# Allegro board 038RT-9068CJK8E-A100_0921_1.brd (continued)
## Routing (per net, layer and track width the routed paths; a pad name or vN(x,y) marks a point on that pad's centre or on a via; arc(x,y) is an arc through that point) (continued)
SG2_TAPSL0: length 38
  L03_SIGNAL w0.102: v1(95.8,259.82) 96.2,260.22 100.22,260.22
  L03_SIGNAL w0.145: v2(116.06,238.11) 115.44,238.73 115.44,241.73 115.18,241.99 115.18,250.98 111.9,254.26 108.14,254.26 102.17,260.22 100.22,260.22
  BOTTOM w0.115: UNK2R281.1 v2(116.06,238.11)
SG2_TAPSL1: length 35.9
  L03_SIGNAL w0.102: v1(96.6,259.82) 97,259.42 100.22,259.42
  L03_SIGNAL w0.145: 100.22,259.42 101.84,259.42 107.8,253.46 111.57,253.46 114.38,250.65 114.38,242.35 114.11,242.08 114.11,238.8 v2(114.79,238.11)
  BOTTOM w0.115: UNK2R282.1 v2(114.79,238.11)
SG2_TCT: length 9.9
  TOP w0.115: UNK2T13.15 v2(54.63,343.06) ; UNK2T13.10 v2(60.98,343.06) ; UNK2C324.1 v2(57.8,343.06)
  L03_SIGNAL w0.145: v2(54.63,343.06) v2(57.8,343.06) v2(60.98,343.06)
SG2_U1_FE_MDI+: length 124.4
  TOP w0.105: 60.74,344.74 60.74,343.95
  TOP w0.115: UNK2T13.11 59.71,342.91 60.74,343.95 ; v1(60.65,344.84) 60.74,344.74
  L07_SIGNAL w0.1: v1(60.65,344.84) 60.8,344.99 60.8,346.21 61.49,346.9 79.23,346.9 82.56,343.56 82.56,305.58 81.18,304.2 73.7,304.2 72.57,303.07 72.57,300.7 75.87,297.41 75.87,290.81 83.95,282.73 83.95,277.28 81.8,275.12 81.8,267.7 84.7,264.79 84.93,264.79 85.15,265.02 85.8,265.02 v1(86.2,264.62)
SG2_U1_FE_MDI-: length 124.4
  TOP w0.105: 61.21,344.74 61.21,343.95
  TOP w0.115: 61.21,343.95 62.25,342.91 UNK2T13.9 ; v1(61.31,344.84) 61.21,344.74
  L07_SIGNAL w0.1: v1(61.31,344.84) 61.16,344.98 61.16,346.06 61.64,346.54 62.81,346.54 62.91,346.44 62.91,346.21 63.02,346.11 63.21,346.11 63.31,346.21 63.31,346.44 63.41,346.54 79.08,346.54 82.2,343.41 82.2,305.73 81.03,304.56 73.55,304.56 72.21,303.23 72.21,300.55 75.51,297.25 75.51,290.66 83.59,282.58 83.59,277.43 81.44,275.27 81.44,267.55 84.55,264.43 84.95,264.43 85.04,264.34 85.17,264.22 85.8,264.22 v1(86.2,263.82)
SG2_U1_FE_MDIX+: length 106.2
  TOP w0.105: 54.39,344.74 54.39,343.95
  TOP w0.115: UNK2T13.16 53.36,342.91 54.39,343.95 ; v1(54.3,344.84) 54.39,344.74
  L07_SIGNAL w0.1: v1(85.4,263.82) 85.18,263.6 83.3,263.6 66.39,280.51 66.39,295.59 67.46,296.66 67.46,339.07 62.46,344.07 58.6,344.07 56.18,346.49 55.12,346.49 54.47,345.84 54.47,345.01 v1(54.3,344.84)
SG2_U1_FE_MDIX-: length 106.2
  TOP w0.105: 54.86,344.74 54.86,343.95
  TOP w0.115: UNK2T13.14 55.9,342.91 54.86,343.95 ; v1(54.96,344.84) 54.86,344.74
  L07_SIGNAL w0.1: v1(85.4,263.02) 85.18,263.24 83.15,263.24 66.03,280.36 66.03,295.74 67.09,296.81 67.09,338.92 62.31,343.71 58.45,343.71 57.17,344.99 57.03,344.99 56.87,344.83 56.73,344.83 56.59,344.97 56.59,345.11 56.75,345.27 56.75,345.41 56.03,346.13 55.27,346.13 54.83,345.69 54.83,344.97 v1(54.96,344.84)
SG2_U2_FE_MDI+: length 176.5
  TOP w0.105: 60.74,329.95 60.74,330.74
  TOP w0.115: UNK2T13.6 59.71,331.77 60.74,330.74 ; v1(60.65,329.85) 60.74,329.95
  L40_SIGNAL w0.1: v1(34.18,173.39) 33.98,173.59 32.67,173.59 32.01,174.25 32.01,179.6 44.19,191.78 44.19,231.57 45.09,232.48 45.09,241.83 48.39,245.12 48.39,275.19 51.89,278.69 51.89,313.22 53.29,314.62 60.8,322.13 60.8,329.7 v1(60.65,329.85)
  BOTTOM w0.105: UNK2U6.27 31.58,173.54 34.04,173.54 v1(34.18,173.39)
SG2_U2_FE_MDI-: length 176.5
  TOP w0.105: 61.21,329.95 61.21,330.74
  TOP w0.115: v1(61.31,329.85) 61.21,329.95 ; UNK2T13.8 62.25,331.77 61.21,330.74
  L40_SIGNAL w0.1: v1(34.18,174.16) 33.98,173.96 32.82,173.96 32.37,174.4 32.37,177.14 32.47,177.24 32.69,177.24 32.79,177.34 32.79,177.54 32.69,177.64 32.47,177.64 32.37,177.74 32.37,179.45 44.55,191.63 44.55,231.42 45.46,232.33 45.46,241.68 48.75,244.97 48.75,275.04 52.25,278.54 52.25,313.07 53.65,314.47 53.65,314.47 61.16,321.98 61.16,329.7 v1(61.31,329.85)
  BOTTOM w0.105: v1(34.18,174.16) 34.04,174.01 31.58,174.01 UNK2U6.28
SG2_U2_FE_MDIX+: length 184.9
  TOP w0.105: 54.39,329.95 54.39,330.74
  TOP w0.115: v1(54.3,329.85) 54.39,329.95 ; UNK2T13.1 53.36,331.77 54.39,330.74
  L40_SIGNAL w0.1: v1(54.3,329.85) 54.45,329.7 54.45,323.06 43.83,312.45 43.83,294.51 44.94,293.4 44.94,283.57 44.15,282.78 44.15,276.67 42.93,275.45 42.93,251.56 32.91,241.54 32.91,234.7 34.75,232.86 34.75,224.37 34.07,223.7 34.07,186.97 27.93,180.82 27.93,171.58 28.91,170.59 33.98,170.59 v1(34.18,170.39)
  BOTTOM w0.105: UNK2U6.21 31.58,170.54 34.04,170.54 v1(34.18,170.39)
SG2_U2_FE_MDIX-: length 184.9
  TOP w0.105: 54.86,329.95 54.86,330.74
  TOP w0.115: 54.86,330.74 55.9,331.77 UNK2T13.3 ; v1(54.96,329.85) 54.86,329.95
  L40_SIGNAL w0.1: v1(54.96,329.85) 54.81,329.7 54.81,322.91 44.2,312.3 44.2,294.66 45.3,293.55 45.3,283.42 44.51,282.63 44.51,276.52 43.29,275.3 43.29,251.41 33.27,241.39 33.27,234.85 35.11,233.01 35.11,224.22 34.44,223.55 34.44,186.82 28.29,180.67 28.29,171.73 29.06,170.96 31.46,170.96 31.56,171.06 31.56,171.27 31.66,171.38 31.86,171.38 31.96,171.27 31.96,171.06 32.06,170.96 33.98,170.96 v1(34.18,171.16)
  BOTTOM w0.105: UNK2U6.22 31.58,171.01 34.04,171.01 v1(34.18,171.16)
SG2_U3_FE_MDI+: length 39.4
  BOTTOM w0.105: UNK2U6.39 39.29,173.04 40.69,173.04 41.77,174.12 41.77,176.2 35.23,182.73 29.5,182.73 28.61,181.84 28.61,181.17 28.31,180.88 26.74,180.88 26.5,181.12 26.5,181.79 25.56,182.73 15.96,182.73 15.01,181.78 15.01,180.86
  BOTTOM w0.115: UNK2CON3.1 14.11,179.96 15.01,180.86
SG2_U3_FE_MDI-: length 39.4
  BOTTOM w0.105: UNK2U6.38 39.29,173.51 40.5,173.51 41.3,174.31 41.3,176 35.04,182.27 29.69,182.27 29.08,181.65 29.08,180.98 28.51,180.41 26.55,180.41 26.04,180.92 26.04,181.6 25.37,182.27 16.16,182.27 15.48,181.59 15.48,179.96
  BOTTOM w0.115: 15.48,179.96 15.77,179.68 16.39,179.68 16.65,179.94 UNK2CON3.2
SG2_U3_FE_MDIX+: length 49.1
  BOTTOM w0.105: 15.15,183.54 15.15,187 15.96,187.81 34.77,187.81 43.5,179.08 43.5,172.42 41.12,170.04 39.29,170.04 UNK2U6.45 ; UNK2CON3.3 14.11,182.5
  BOTTOM w0.115: 14.11,182.5 15.15,183.54
SG2_U3_FE_MDIX-: length 49.1
  BOTTOM w0.105: 15.61,185.23 15.61,186.8 16.16,187.35 34.58,187.35 43.04,178.89 43.04,172.62 40.93,170.51 39.29,170.51 UNK2U6.44
  BOTTOM w0.115: 15.61,185.23 15.81,185.04 18.08,185.04 18.36,185.31 18.36,186.04 18.08,186.31 UNK2CON3.6
SG2_U4_GIGA_MDI+: length 14.1
  TOP w0.105: UNK2GPHY2.1 18.95,270.11 20.17,270.11 23.41,273.35 23.41,276.4 23.91,276.9 24.91,276.9 v1(25,276.99)
  BOTTOM w0.105: v1(25,276.99) 25.1,276.9 25.37,276.9 26.12,277.65 27.06,277.65 UNK2K145.3
SG2_U4_GIGA_MDI-: length 14.1
  TOP w0.105: UNK2GPHY2.2 18.95,269.64 20.36,269.64 23.88,273.16 23.88,276.21 24.1,276.43 24.91,276.43 v1(25,276.33)
  BOTTOM w0.105: v1(25,276.33) 25.1,276.43 25.56,276.43 26.31,277.19 27.06,277.19 UNK2K145.2
SG2_VBAT:
  vias: v1(90.2,263.82) v2(57.51,265.1) v2(58.78,265.1) v2(60.05,265.1) v2(62.09,265.1) v2(63.36,265.1) v2(64.63,265.1) v2(67.17,265.1)
SG2_VDC: length 4.4
  TOP w0.508: UNK2R18.1 S2_PH_VBAT.2
SG2_VO09: length 25.4
  L05_SIGNAL w0.102: v1(90.2,261.42) 89.8,261.02 89.8,258.6
  L05_SIGNAL w0.105: 89.8,258.6 89.84,258.56 89.84,244.85 93.79,240.91 93.79,238.8 v2(94.47,238.11)
SG2_VSENSE: length 22.8
  L05_SIGNAL w0.102: v1(89.4,261.42) 89,261.02 89,258.6
  L05_SIGNAL w0.105: 89,258.6 88.95,258.56 88.95,244.77 v2(93.2,240.52)
SG2_WAKE: length 22.7
  L05_SIGNAL w0.102: 93,258.6 93,261.02 v1(92.6,261.42)
  L05_SIGNAL w0.105: 93,258.6 93,256.36 93.85,255.51 93.85,244.4 97.01,241.24 v2(97.01,240.52)
SG2_WP: length 34.3
  L03_SIGNAL w0.102: 92.2,273.74 92.2,271.42 v1(92.6,271.02)
  L03_SIGNAL w0.145: v1(64.02,278.85) 66.04,276.82 70.57,276.82 73.88,273.51 84.66,273.51 85.26,274.11 89.49,274.11 90.13,274.75 91.39,274.75 92.2,273.94 92.2,273.74
SG3_1_P0_MDI+: length 2.5
  TOP w0.105: 629.5,279.84 628.09,279.84 UNK3T2.1
  TOP w0.115: UNK3C180.1 629.5,279.84
SG3_1_P0_MDI-: length 2.6
  TOP w0.105: UNK3T2.2 628.2,280.31 629.5,280.31
  TOP w0.115: UNK3C179.1 629.5,280.31
SG3_1_P1_MDI+: length 2.5
  TOP w0.105: 629.5,285.05 628.09,285.05 UNK3T3.1
  TOP w0.115: UNK3C184.1 629.5,285.05
SG3_1_P1_MDI-: length 2.6
  TOP w0.105: UNK3T3.2 628.2,285.52 629.5,285.52
  TOP w0.115: UNK3C183.1 629.5,285.52
SG3_1_P1_TXD0: length 127
  L13_SIGNAL w0.105: UNK3K225.4 542.5,240.92 542.5,250.1 538.82,253.79 497.03,253.79 492.12,258.69 488.06,258.69 485.27,261.49 482.01,261.49 480.6,262.89 469.68,262.89 452.72,279.85 441.84,279.85 v1(441.05,280.64)
  BOTTOM w0.115: v1(441.05,280.64) UNK3RR520.2
SG3_1_P1_TXD1: length 126.5
  L15_SIGNAL w0.105: UNK3K225.5 543.28,243.35 540.04,243.35 530.08,253.3 487.36,253.3 475.3,265.36 475.05,265.36 474.94,265.47 466.51,265.47 451.39,280.59 444.66,280.59 443.44,281.81 440.75,281.81 440.48,282.08 440.48,283.29 439.83,283.94 438,283.94 v1(437.24,284.7)
  BOTTOM w0.115: v1(437.24,284.7) UNK3RR521.2
SG3_1_P1_TXD2: length 105.5
  L15_SIGNAL w0.105: v1(441.05,278.61) 449,278.61 464.3,263.3 473.76,263.3 488.92,248.14 514.48,248.14 514.5,248.12 517.54,248.12 527.26,238.4 UNK3K226.4
  BOTTOM w0.115: v1(441.05,278.61) UNK3RR522.2
SG3_1_P1_TXD3: length 109.7
  L15_SIGNAL w0.105: v1(437.24,282.67) 438.61,281.3 438.61,281.3 438.66,281.26 442.4,281.26 443.63,280.03 451.06,280.03 466.28,264.81 475.07,264.81 487.39,252.49 518.89,252.49 UNK3K226.5
  BOTTOM w0.115: v1(437.24,282.67) UNK3RR523.2
SG3_1_P2_GIGA_MDI+: length 2.6
  TOP w0.105: UNK3T24.1 633.08,261.59 634.41,261.59 UNK3C422.1
SG3_1_P2_GIGA_MDI-: length 2.6
  TOP w0.105: UNK3C421.1 634.41,262.05 633.08,262.05 UNK3T24.2
SG3_1_P3_GIGA_MDI+: length 2.6
  TOP w0.105: UNK3T25.1 633.08,256.95 634.41,256.95 UNK3C431.1
SG3_1_P3_GIGA_MDI-: length 2.6
  TOP w0.105: UNK3C430.1 634.41,257.41 633.08,257.41 UNK3T25.2
SG3_1_P5_MDI+: length 2.5
  BOTTOM w0.105: 614.7,273.83 613.29,273.83 UNK3T21.2
  BOTTOM w0.115: 614.7,273.83 UNK3C401.1
SG3_1_P5_MDI-: length 2.6
  BOTTOM w0.105: 614.7,274.3 613.4,274.3 UNK3T21.1
  BOTTOM w0.115: 614.7,274.3 UNK3C405.1
SG3_1_P5_TXD0: length 44.5
  L09_SIGNAL w0.105: v1(574.97,252.99) 571.5,249.53 566.79,249.53 564.81,247.55 564.81,240.94 557.66,233.79 557.66,232.2 556.35,230.88 546.19,230.88 UNK3K227.4
  BOTTOM w0.115: v1(574.97,252.99) UNK3RR920.2
SG3_1_P5_TXD1: length 126.7
  L15_SIGNAL w0.105: v1(437.24,280.64) 438.47,279.41 450.66,279.41 466.15,263.93 473.86,263.93 473.93,263.86 473.99,263.86 489.12,248.72 518.2,248.72 527.12,239.8 540.47,239.8 UNK3K227.5
  BOTTOM w0.115: v1(437.24,280.64) UNK3RR921.2
SG3_1_P5_TXD2: length 111.9
  L15_SIGNAL w0.105: v1(437.24,278.61) 438.42,277.43 448.81,277.43 463.61,262.63 473.55,262.63 488.59,247.58 514.25,247.58 UNK3K228.4
  BOTTOM w0.115: v1(437.24,278.61) UNK3RR922.2
SG3_1_P6_MDI+: length 2.5
  BOTTOM w0.105: 614.7,269.13 613.29,269.13 UNK3T20.2
  BOTTOM w0.115: 614.7,269.13 UNK3C407.1
SG3_1_P6_MDI-: length 2.6
  BOTTOM w0.105: 614.7,269.6 613.4,269.6 UNK3T20.1
  BOTTOM w0.115: 614.7,269.6 UNK3C402.1
SG3_2_P0_MDI+: length 63.5
  TOP w0.105: 632.14,279.84 632.41,279.84
  TOP w0.115: 632.41,279.84 v1(632.87,279.37) ; UNK3C180.2 632.14,279.84
  L07_SIGNAL w0.1: v1(632.87,279.37) 632.87,279.79 632.97,279.89 635.28,279.89 637,281.62 637,287.05 658.34,308.38 658.34,325.69 658.55,325.91 658.98,325.91 v2(659.18,325.71)
  BOTTOM w0.105: UNK3U18.6 661.78,325.86 659.33,325.86 v2(659.18,325.71)
SG3_2_P0_MDI-: length 63.5
  TOP w0.105: 632.14,280.31 632.41,280.31
  TOP w0.115: 632.41,280.31 v1(632.87,280.77) ; UNK3C179.2 632.14,280.31
  L07_SIGNAL w0.1: v2(659.18,326.47) 658.98,326.27 658.4,326.27 657.97,325.85 657.97,308.53 636.64,287.2 636.64,281.77 635.13,280.26 632.97,280.26 632.87,280.36 v1(632.87,280.77)
  BOTTOM w0.105: UNK3U18.7 661.78,326.32 659.33,326.32 v2(659.18,326.47)
SG3_2_P0_RC: length 3.9
  TOP w0.115: UNK3R6.1 UNK3C181.1 UNK3R139.2 UNK3R140.2
SG3_2_P1_MDI+: length 66
  TOP w0.105: 632.14,285.05 632.41,285.05
  TOP w0.115: UNK3C184.2 632.14,285.05 ; 632.41,285.05 v1(632.87,284.58)
  L07_SIGNAL w0.1: v1(632.87,284.58) 632.87,285 632.97,285.1 633.72,285.1 634.3,285.68 634.3,289.76 653.18,308.64 653.18,324.15 657.94,328.91 664.22,328.91 v2(664.42,328.71)
  BOTTOM w0.105: UNK3U18.12 661.82,328.86 664.27,328.86 v2(664.42,328.71)
SG3_2_P1_MDI-: length 66
  TOP w0.105: 632.14,285.52 632.41,285.52
  TOP w0.115: UNK3C183.2 632.14,285.52 ; 632.41,285.52 v1(632.87,285.98)
  L07_SIGNAL w0.1: v2(664.42,329.47) 664.22,329.27 657.79,329.27 652.82,324.3 652.82,308.79 633.94,289.91 633.94,285.83 633.57,285.47 632.97,285.47 632.87,285.57 v1(632.87,285.98)
  BOTTOM w0.105: UNK3U18.13 661.82,329.32 664.27,329.32 v2(664.42,329.47)
SG3_2_P1_RC: length 3.9
  TOP w0.115: UNK3C182.1 UNK3R7.1 UNK3R141.2 UNK3R142.2
SG3_2_P2_GIGA_MDI+: length 26.7
  TOP w0.105: v4(638.1,260.8) 637.32,261.59 637.05,261.59 UNK3C422.2
  L03_SIGNAL w0.136: v1(642.73,276.29) 642.83,276.39 642.83,276.71 642.32,277.23 639.95,277.23 639.06,276.33 639.06,265.18 639.31,264.93 639.31,262.01 638.89,261.59 638.24,261.59 638.1,261.46 v4(638.1,260.8)
  BOTTOM w0.105: v1(642.73,276.29) 642.83,276.19 642.83,275.42 643.45,274.8 644.91,274.8 UNK3K144.15
SG3_2_P2_GIGA_MDI-: length 26.6
  TOP w0.105: v4(638.1,262.84) 637.32,262.05 637.05,262.05 UNK3C421.2
  L03_SIGNAL w0.136: v4(638.1,262.84) 638.1,262.18 638.24,262.05 638.7,262.05 638.85,262.2 638.85,264.74 638.6,264.99 638.6,276.52 639.77,277.68 642.51,277.68 643.29,276.9 643.29,276.39 v1(643.39,276.29)
  BOTTOM w0.105: v1(643.39,276.29) 643.29,276.19 643.29,275.61 643.64,275.26 644.91,275.26 UNK3K144.16
SG3_2_P2_RC: length 4.7
  TOP w0.115: UNK3R518.2 641.21,262.84 UNK3C427.1 UNK3R519.1 641.21,260.8 UNK3R517.2
SG3_2_P3_GIGA_MDI+: length 24.6
  TOP w0.105: UNK3C431.2 637.05,256.95 637.32,256.95 v4(638.1,256.16)
  L03_SIGNAL w0.136: v4(638.1,256.16) 638.1,256.82 638.24,256.95 638.85,256.95 639.29,257.39 639.29,258.95 639.42,259.09 641.72,259.09 642.61,259.98 642.61,266.23 640.81,268.03 640.81,270.17 640.95,270.3 642.05,270.3 v1(642.15,270.2)
  BOTTOM w0.105: v1(642.15,270.2) 642.25,270.3 644.91,270.3 UNK3K144.6
SG3_2_P3_GIGA_MDI-: length 24.6
  TOP w0.105: UNK3C430.2 637.05,257.41 637.32,257.41 v4(638.1,258.2)
  L03_SIGNAL w0.136: v4(638.1,258.2) 638.1,257.54 638.24,257.41 638.67,257.41 638.83,257.57 638.83,259.14 639.23,259.54 641.54,259.54 642.16,260.16 642.16,266.04 640.36,267.84 640.36,270.36 640.76,270.76 642.05,270.76 v1(642.15,270.86)
  BOTTOM w0.105: v1(642.15,270.86) 642.25,270.76 644.91,270.76 UNK3K144.7
SG3_2_P3_RC: length 4.7
  TOP w0.115: UNK3R537.2 641.21,258.2 UNK3C436.1 UNK3R538.1 641.21,256.16 UNK3R536.2
SG3_2_P5_MDI+: length 84.6
  L07_SIGNAL w0.1: v2(659.18,331.71) 658.98,331.91 652.93,331.91 648.72,327.69 648.72,307.92 629.89,289.09 629.89,283.87 619.91,273.88 618.18,273.88 618.08,273.78 v1(618.08,273.37)
  BOTTOM w0.105: UNK3U18.18 661.78,331.86 659.33,331.86 v2(659.18,331.71) ; 617.61,273.83 617.34,273.83
  BOTTOM w0.115: 617.34,273.83 UNK3C401.2 ; v1(618.08,273.37) 617.61,273.83
SG3_2_P5_MDI-: length 84.6
  L07_SIGNAL w0.1: v2(659.18,332.47) 658.98,332.27 652.78,332.27 648.35,327.84 648.35,308.07 629.53,289.24 629.53,284.02 619.76,274.25 618.18,274.25 618.08,274.35 v1(618.08,274.77)
  BOTTOM w0.105: v2(659.18,332.47) 659.33,332.32 661.78,332.32 UNK3U18.19 ; 617.61,274.3 617.34,274.3
  BOTTOM w0.115: v1(618.08,274.77) 617.61,274.3 ; 617.34,274.3 UNK3C405.2
SG3_2_P5_RC: length 3.9
  BOTTOM w0.115: UNK3R470.2 UNK3R474.2 UNK3C406.1 UNK3R9.1
SG3_2_P6_MDI+: length 107.6
  L07_SIGNAL w0.1: v1(618.08,268.67) 618.08,269.09 617.98,269.19 616.71,269.19 616.11,269.78 616.11,275.74 622.43,282.05 622.43,286.8 644.83,309.2 644.83,330.85 651.24,337.26 664.4,337.26 665.69,335.97 665.69,333.84 665.26,333.41 664.62,333.41 v2(664.42,333.21)
  BOTTOM w0.105: v2(664.42,333.21) 664.27,333.36 661.82,333.36 UNK3U18.21 ; 617.61,269.13 617.34,269.13
  BOTTOM w0.115: 617.34,269.13 UNK3C407.2 ; v1(618.08,268.67) 617.61,269.13
SG3_2_P6_MDI-: length 107.6
  L07_SIGNAL w0.1: v1(618.08,270.07) 618.08,269.65 617.98,269.55 616.86,269.55 616.48,269.93 616.48,275.59 622.79,281.9 622.79,286.64 645.2,309.05 645.2,330.7 651.39,336.9 660.12,336.9 660.23,336.78 660.23,336.48 660.35,336.36 660.52,336.36 660.63,336.48 660.63,336.78 660.75,336.9 660.92,336.9 661.03,336.78 661.03,336.48 661.15,336.36 661.32,336.36 661.43,336.48 661.43,336.78 661.55,336.9 661.72,336.9 661.83,336.78 661.83,336.48 661.95,336.36 662.12,336.36 662.23,336.48 662.23,336.78 662.35,336.9 664.25,336.9 665.33,335.82 665.33,333.99 665.11,333.77 664.62,333.77 v2(664.42,333.97)
  BOTTOM w0.105: UNK3U18.22 661.82,333.82 664.27,333.82 v2(664.42,333.97) ; 617.61,269.6 617.34,269.6
  BOTTOM w0.115: v1(618.08,270.07) 617.61,269.6 ; 617.34,269.6 UNK3C402.2
SG3_2_P6_RC: length 3.9
  BOTTOM w0.115: UNK3R473.2 UNK3R475.2 UNK3C399.1 UNK3R19.1
SG3_3_P2_GIGA_MDI+: length 25.4
  BOTTOM w0.105: UNK3K144.27 648.93,273.3 651.27,273.3 651.84,273.86 653.28,273.86 653.94,274.53 653.94,284.27 654.24,284.57 655.68,284.57 656.07,284.18 656.07,280.17 656.6,279.65 659.52,279.65 UNK3K145.33
SG3_3_P2_GIGA_MDI-: length 25.4
  BOTTOM w0.105: UNK3K145.34 659.52,280.11 656.79,280.11 656.53,280.37 656.53,284.37 655.87,285.03 654.05,285.03 653.48,284.46 653.48,274.72 653.09,274.33 651.65,274.33 651.08,273.76 648.93,273.76 UNK3K144.26
SG3_3_P3_GIGA_MDI+: length 28.1
  L46_SIGNAL w0.136: v3(653.11,266.71) 653.21,266.81 656.17,266.81 656.98,267.62 656.98,271.58 654.62,273.93 654.62,279.54 656.74,281.65 657.48,281.65 v3(657.58,281.55)
  BOTTOM w0.105: v3(653.11,266.71) 653.01,266.81 652.32,266.81 650.33,268.8 648.93,268.8 UNK3K144.36 ; UNK3K145.37 659.52,281.65 657.68,281.65 v3(657.58,281.55)
SG3_3_P3_GIGA_MDI-: length 28.1
  L46_SIGNAL w0.136: v3(653.11,267.37) 653.21,267.26 655.98,267.26 656.53,267.81 656.53,271.39 654.17,273.75 654.17,279.72 656.55,282.11 657.48,282.11 v3(657.58,282.21)
  BOTTOM w0.105: UNK3K145.38 659.52,282.11 657.68,282.11 v3(657.58,282.21) ; UNK3K144.35 648.93,269.26 650.52,269.26 652.52,267.27 653.01,267.27 v3(653.11,267.37)
SG3_3PI_P0_MDI+: length 130.2
  L11_SIGNAL w0.1: v2(672.13,324.71) 672.33,324.91 673.57,324.91 673.7,324.78 673.7,323.37 673.16,322.84 664.99,322.84 664.08,321.93 664.08,320.54 664.79,319.83 675.28,319.83 675.7,319.41 675.7,317.66 675.38,317.34 656.39,317.34 655.49,316.44 655.49,314.86 656.18,314.17 676.79,314.17 677.98,315.36 677.98,325.17 676.13,327.01 676.13,333.36 676.87,334.1 681.01,334.1 681.33,333.79 681.33,331.17 681.05,330.89 678.97,330.89 678.56,330.48 678.56,328.42 678.97,328.01 687.73,328.01 688.53,328.82 688.53,336.08 687.88,336.73 686.43,336.73 686.33,336.83 UNK3MQS1.6
  BOTTOM w0.105: v2(672.13,324.71) 671.98,324.86 669.53,324.86 UNK3U18.61
SG3_3PI_P0_MDI-: length 130.2
  L11_SIGNAL w0.1: v2(672.13,325.47) 672.33,325.27 673.72,325.27 674.06,324.93 674.06,323.22 673.31,322.48 665.14,322.48 664.44,321.78 664.44,320.69 664.94,320.2 675.43,320.2 676.06,319.56 676.06,317.51 675.53,316.98 656.55,316.98 655.85,316.28 655.85,315.01 656.33,314.53 676.64,314.53 677.62,315.51 677.62,325.02 675.77,326.86 675.77,333.52 676.72,334.47 681.16,334.47 681.69,333.94 681.69,331.02 681.2,330.53 679.12,330.53 678.92,330.32 678.92,328.57 679.12,328.38 680.11,328.38 680.29,328.55 680.29,328.71 680.46,328.88 680.71,328.88 680.89,328.71 680.89,328.55 681.06,328.38 681.31,328.38 681.49,328.55 681.49,328.71 681.66,328.88 681.91,328.88 682.09,328.71 682.09,328.55 682.27,328.38 687.57,328.38 688.16,328.97 688.16,335.93 687.73,336.37 686.43,336.37 686.33,336.27 UNK3MQS1.7
  BOTTOM w0.105: UNK3U18.60 669.53,325.32 671.98,325.32 v2(672.13,325.47)
SG3_3PI_P1_MDI+: length 116.6
  L11_SIGNAL w0.1: UNK3MQS1.15 683.79,336.83 683.69,336.73 675.36,336.73 671.92,340.17 652.76,340.17 651.49,338.9 651.49,321.82 652.09,321.22 655.76,321.22 656.27,321.73 656.27,330.01 656.58,330.32 657.45,330.32 657.65,330.13 657.65,321.95 658.67,320.93 661.35,320.93 661.96,321.53 661.96,336.23 662.58,336.85 668.71,336.85 669.4,336.16 669.4,328.67 670.16,327.91 671.93,327.91 v2(672.13,327.71)
  BOTTOM w0.105: v2(672.13,327.71) 671.98,327.86 669.53,327.86 UNK3U18.55
SG3_3PI_P1_MDI-: length 116.6
  L11_SIGNAL w0.1: v2(672.13,328.47) 671.93,328.27 670.31,328.27 669.76,328.82 669.76,336.31 668.86,337.22 662.43,337.22 661.59,336.38 661.59,321.68 661.2,321.29 658.82,321.29 658.01,322.1 658.01,330.28 657.6,330.69 656.43,330.69 655.91,330.16 655.91,321.88 655.61,321.58 652.24,321.58 651.85,321.97 651.85,338.75 652.91,339.8 671.77,339.8 675.21,336.37 679.59,336.37 679.77,336.19 679.77,336.04 679.94,335.86 680.19,335.86 680.37,336.04 680.37,336.19 680.54,336.37 680.79,336.37 680.97,336.19 680.97,336.04 681.14,335.86 681.39,335.86 681.57,336.04 681.57,336.19 681.74,336.37 683.69,336.37 683.79,336.27 UNK3MQS1.16
  BOTTOM w0.105: v2(672.13,328.47) 671.98,328.32 669.53,328.32 UNK3U18.54
SG3_3PI_P5_MDI+: length 133.6
  L13_SIGNAL w0.1: v2(672.13,330.71) 672.33,330.91 673.51,330.91 673.61,330.81 673.61,320.84 672.82,320.05 653.79,320.05 652.97,319.23 652.97,316.59 653.67,315.88 669.5,315.88 669.78,315.6 669.78,314.65 669.36,314.23 653.86,314.23 652.97,313.34 652.97,311.84 653.72,311.09 676.88,311.09 677.97,312.18 677.97,327.82 678.08,327.93 687.88,327.93 688.58,328.63 688.58,331.2 688.14,331.65 686.43,331.65 686.33,331.75 UNK3MQS1.8
  BOTTOM w0.105: v2(672.13,330.71) 671.98,330.86 669.53,330.86 UNK3U18.49
SG3_3PI_P5_MDI-: length 133.6
  L13_SIGNAL w0.1: UNK3MQS1.9 686.33,331.19 686.43,331.29 687.98,331.29 688.22,331.05 688.22,328.78 687.73,328.29 681.04,328.29 680.87,328.47 680.87,328.62 680.69,328.8 680.44,328.8 680.27,328.62 680.27,328.47 680.09,328.29 679.84,328.29 679.67,328.47 679.67,328.62 679.49,328.8 679.24,328.8 679.07,328.62 679.07,328.47 678.89,328.29 677.93,328.29 677.6,327.97 677.6,312.33 676.73,311.45 653.88,311.45 653.33,312 653.33,313.19 654.01,313.87 669.51,313.87 670.15,314.5 670.15,315.75 669.65,316.24 653.82,316.24 653.33,316.74 653.33,319.08 653.94,319.69 672.97,319.69 673.97,320.69 673.97,330.96 673.66,331.27 672.33,331.27 v2(672.13,331.47)
  BOTTOM w0.105: UNK3U18.48 669.53,331.32 671.98,331.32 v2(672.13,331.47)
SG3_3PI_P6_MDI+: length 111.8
  L13_SIGNAL w0.1: v2(673.27,333.39) 673.08,333.59 670.45,333.59 669.48,334.56 669.48,335.84 669.24,336.08 666.19,336.08 665.45,336.83 662.34,336.83 661.9,336.39 661.9,322.33 660.98,321.4 658.29,321.4 657.65,322.05 657.65,325.87 657.5,326.01 656.64,326.01 656.35,325.73 656.35,322.02 655.73,321.4 654.03,321.4 653.32,322.11 653.32,338.86 655.28,340.82 673.59,340.82 674.17,340.24 674.17,337.84 674.8,337.21 675.7,337.21 676.03,337.54 676.03,340.34 676.51,340.82 678.29,340.82 678.77,340.33 678.77,334.29 681.41,331.65 683.69,331.65 683.79,331.75 UNK3MQS1.17
  BOTTOM w0.105: UNK3U18.45 669.53,332.86 670.61,332.86 671.29,333.54 673.13,333.54 v2(673.27,333.39)
SG3_3PI_P6_MDI-: length 111.8
  L13_SIGNAL w0.1: v2(673.27,334.16) 673.08,333.96 670.6,333.96 669.84,334.71 669.84,335.99 669.39,336.44 666.34,336.44 665.6,337.19 662.19,337.19 661.54,336.54 661.54,322.48 660.83,321.77 658.44,321.77 658.01,322.2 658.01,326.02 657.65,326.38 656.48,326.38 655.99,325.88 655.99,322.17 655.58,321.77 654.18,321.77 653.68,322.26 653.68,338.71 655.43,340.46 673.44,340.46 673.81,340.09 673.81,337.69 674.65,336.85 675.85,336.85 676.39,337.39 676.39,340.19 676.66,340.46 678.14,340.46 678.41,340.18 678.41,334.14 679.08,333.47 679.08,333.22 678.97,333.11 678.97,332.87 679.16,332.68 679.4,332.68 679.51,332.8 679.76,332.8 679.93,332.62 679.93,332.37 679.82,332.26 679.82,332.01 680,331.84 680.25,331.84 680.36,331.95 680.61,331.95 681.26,331.29 683.69,331.29 683.79,331.19 UNK3MQS1.18
  BOTTOM w0.105: UNK3U18.44 669.53,333.32 670.42,333.32 671.1,334.01 673.13,334.01 v2(673.27,334.16)
SG3_AT+: length 20.5
  L05_SIGNAL w0.1: v1(620.57,252.73) 620.22,252.73 620.12,252.83 620.12,253.59 619.52,254.19 615.13,254.19 607.71,261.6 605.93,261.6
  L05_SIGNAL w0.102: 605.93,261.6 605.93,261.6 605.79,261.6 605.57,261.82 604.8,261.82 v1(604.4,262.22)
SG3_AT-: length 20.5
  L05_SIGNAL w0.1: v1(619.3,252.73) 619.65,252.73 619.75,252.83 619.75,253.44 619.37,253.82 618.84,253.82 618.73,253.71 618.73,253.5 618.61,253.39 618.44,253.39 618.33,253.5 618.33,253.71 618.21,253.82 614.98,253.82 607.56,261.24 605.93,261.24
  L05_SIGNAL w0.102: v1(604.4,261.42) 604.8,261.02 605.57,261.02 605.79,261.24 605.93,261.24
SG3_AVDD09: length 17.7
  L07_SIGNAL w0.508: v2(569.45,281.94) 570.83,281.94 581.46,271.31 v1(582.75,271.31)
  vias: v1(583.38,271.31) v1(591.6,271.02) v1(591.6,270.22) v1(591.6,267.82) v1(591.6,267.02) v1(591.6,266.22) v1(591.6,265.42) v1(592.4,268.62) v1(592.4,264.62) v1(593.2,263.82) v1(593.2,263.02) v1(601.2,264.62) v1(601.2,263.82) v1(602,271.02) v1(602,270.22) v1(602,262.22) v1(602,261.42) v1(602.8,267.82) v1(602.8,262.22) v1(602.8,261.42) v1(603.6,262.22) v1(605.2,267.82)
SG3_AVDD33: length 18.4
  TOP w0.508: v1(593.5,278.06) 594.41,278.98 594.41,287.59 598.66,291.84 SG3_AVDD33.1
  vias: v1(591.6,261.42) v1(593.2,267.02) v1(593.2,266.22) v1(593.2,262.22) v1(593.2,261.42) v1(593.5,277.43) v1(600.4,270.22) v1(600.4,262.22) v1(600.4,261.42) v1(601.2,267.82) v1(601.2,262.22) v1(601.2,261.42) v1(602,269.42) v1(602,268.62) v1(602,265.42) v1(602.8,271.02) v1(602.8,270.22) v1(602.8,269.42) v1(602.8,268.62) v1(603.6,271.02) v1(604.4,264.62) v1(604.4,263.82) v1(604.4,263.02) v1(604.4,260.62) v1(604.4,259.82)
SG3_AVDD33_MOSFET: length 16.8
  TOP w0.508: v1(599.23,278.06) 600.57,279.4 SG3_AVDD33_MOSFET.1